# Altium PCB Xavier_NX_Carrier_Board_v1.1.PcbDoc (part 1 of 6) (continued)
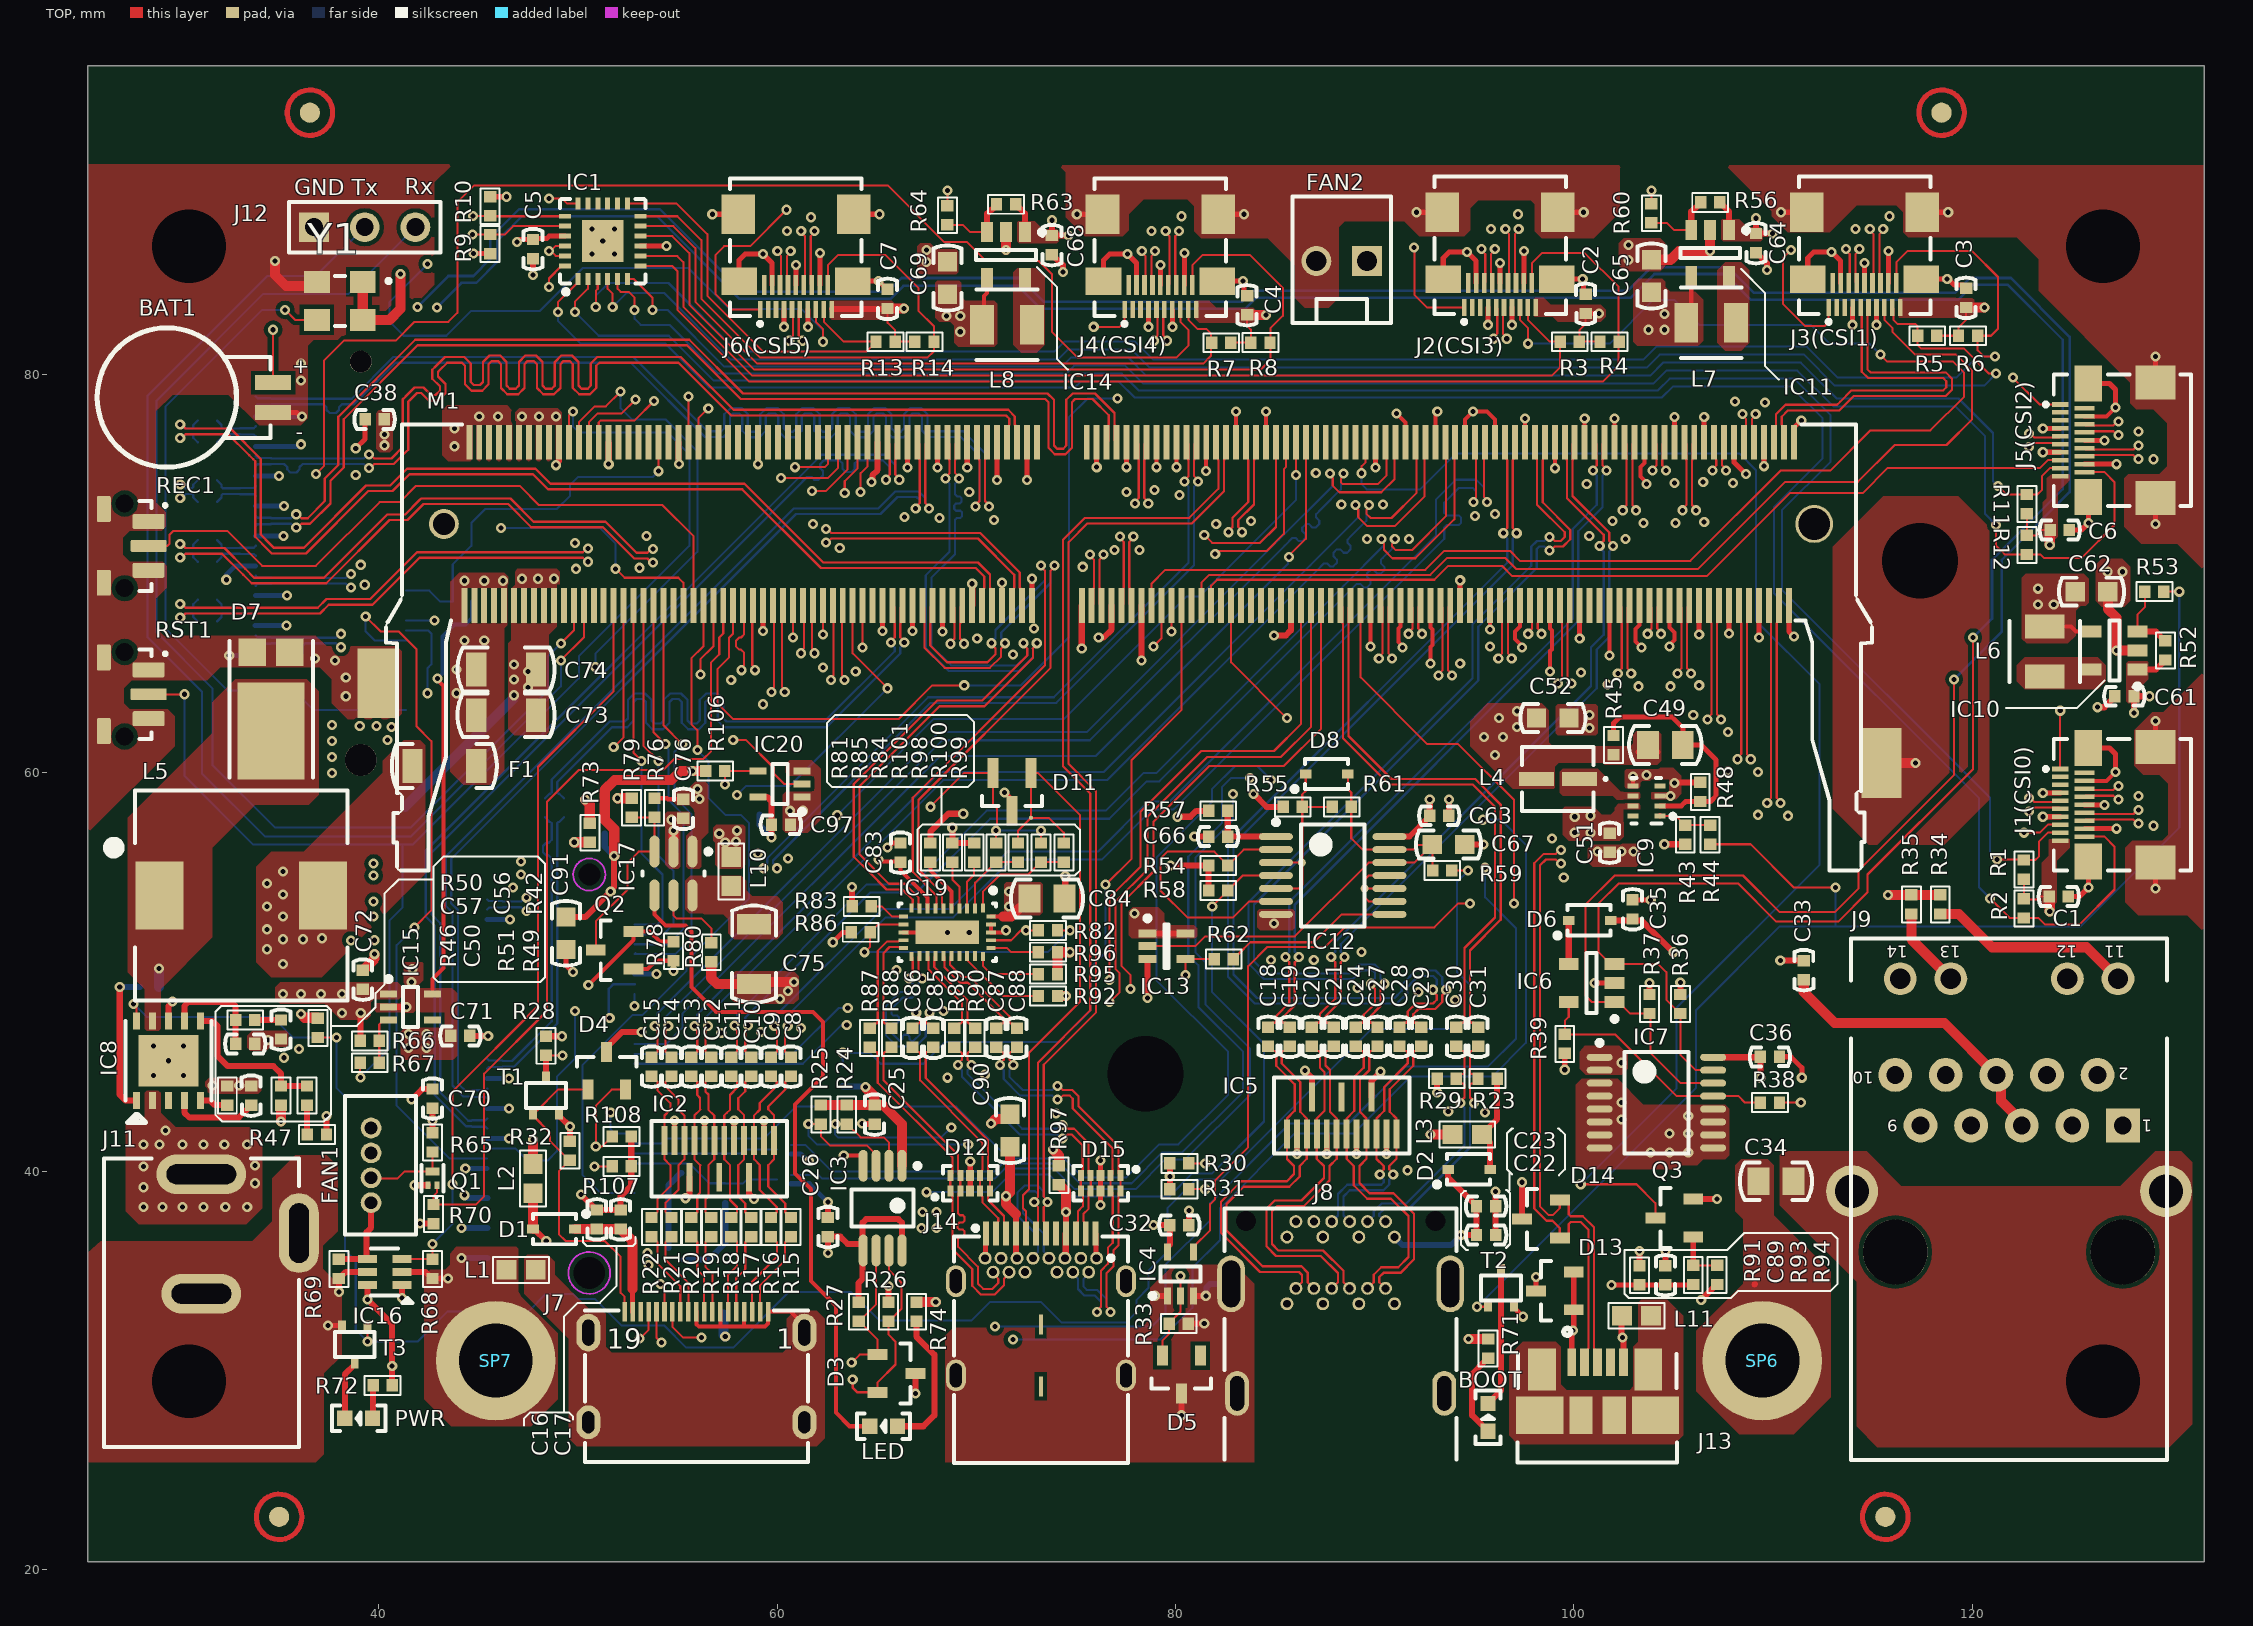
[diagram p0: TOP view]
## Components (designator, comment, footprint, x,y, rotation, side; value= is the part's Value field where it differs from the comment) (continued)
BOOT "SML-310MTT86" LED0603 95.7,27.65 r90 top
C1 "100n" C0402#1 124.35,53.8 r180 top
C2 "100n" C0402#1 100.6,83.55 r270 top
C3 "100n" C0402#1 119.7,83.85 r270 top
C4 "100n" C0402#1 83.6,83.48 r270 top
C5 "100n" C0402#1 47.75,86.3 r90 top
C6 "100n" C0402#1 124.4,72.2 r180 top
C7 "100n" C0402#1 65.55,83.8 r270 top
C8 "100n" C0402#1 60.7,45.25 r270 top locked
C9 "100n" C0402#1 59.7,45.25 r270 top locked
C10 "100n" C0402#1 58.7,45.25 r270 top locked
C11 "100n" C0402#1 57.7,45.25 r270 top locked
C12 "100n" C0402#1 56.7,45.25 r270 top locked
C13 "100n" C0402#1 55.7,45.25 r270 top locked
C14 "100n" C0402#1 54.7,45.25 r270 top locked
C15 "100n" C0402#2 53.7,45.25 r270 top locked
C16 "4u7" C0402#1 50.95,37.58 r270 top
C17 "4u7" C0402#1 52.15,37.58 r270 top
C18 "100n" C0402#1 84.65,46.75 r270 top
C19 "100n" C0402#1 85.75,46.75 r270 top
C20 "100n" C0402#1 86.85,46.75 r270 top
C21 "100n" C0402#1 87.95,46.75 r270 top
C22 "4u7" C0402#1 95.6,36.8 r180 top
C23 "4u7" C0402#1 95.6,38.25 r180 top
C24 "100n" C0402#1 89.05,46.75 r270 top
C25 "100n" C0402#1 64.9,42.85 r90 top
C26 "100n" C0402#1 62.55,37.2 r270 top
C27 "100n" C0402#1 90.15,46.75 r270 top
C28 "100n" C0402#1 91.25,46.75 r270 top
C29 "100n" C0402#1 92.35,46.75 r270 top
C30 "100n" C0402#1 94.1,46.75 r270 top
C31 "100n" C0402#1 95.2,46.75 r270 top
C32 "100n" C0402#1 80.2,37.3 r0 top
C33 "10n" C0402#1 111.55,50.1 r270 top
C34 "100p" 0805 110.15,39.5 r0 top
C35 "100n" C0402#1 102.95,53.15 r270 top
C36 "100n" C0402#1 109.85,45.75 r180 top
C37 "10u" C0603#1 40.5,58.3 r180 bottom
C38 "100n" C0402#1 39.8,77.75 r0 top
C39 "100n" C0402#1 31.4,67.6 r180 bottom
C40 "100n" C0402#1 31.4,68.7 r180 bottom
C41 "100n" C0402#1 31.4,70.6 r180 bottom
C42 "100n" C0402#1 31.4,71.7 r180 bottom
C43 "100n" C0402#1 31.4,73.6 r180 bottom
C44 "100n" C0402#1 31.4,74.7 r180 bottom
C45 "100n" C0402#1 31.4,76.6 r180 bottom
C46 "100n" C0402#1 31.4,77.7 r180 bottom
C47 "100n" C0402#1 37.35,58.25 r0 bottom
C48 "100n" C0402#1 28.5,49.25 r0 bottom
C49 "100p" 0805 104.6,61.4 r180 top
C50 "10n" C0402#1 33.6,43.8 r270 top
C51 "2u2" C0402#1 101.8,56.5 r90 top
C52 "10u" C0603#1 98.95,62.75 r180 top
C53 "2u2" 1206 28.25,44.05 r270 bottom
C54 "2u2" 1206 33.25,44.05 r270 bottom
C55 "2u2" 1206 30.75,44.05 r270 bottom
C56 "4n7" C0402#1 35.1,47.12 r90 top
C57 "47p" C0402#1 33.3,46.4 r180 top
C58 "47u" 0805 37.75,55.2 r180 bottom
C59 "47u" 0805 37.75,50.45 r180 bottom
C60 "47u" 0805 37.75,52.95 r180 bottom
C61 "4u7" C0402#1 127.65,63.85 r0 top
C62 "10u" C0603#1 126,69.1 r180 top
C63 "100n" C0402#1 93.25,57.85 r0 top
C64 "4u7" C0402#1 109.15,86.6 r90 top
C65 "10u" C0603#1 103.9,84.95 r270 top
C66 "47n" C0402#1 82.15,56.8 r0 top
C67 "10u" C0603#1 93.715,56.4 r180 top
C68 "4u7" C0402#1 73.8,86.5 r90 top
C69 "10u" C0603#2 68.55,84.85 r270 top
C70 "100n" C0402#1 42.7,43.65 r270 top
C71 "2u2" C0402#1 44.1,46.8 r180 top
C72 "2u2" C0402#1 39.2,49.62 r270 top
C73 "100u" 1206 46.4,62.9 r180 top
C74 "100u" 1206 46.4,65.2 r180 top
C75 "100u" 1206 58.85,50.9 r90 top
C76 "2u2" C0402#1 55.3,58.2 r90 top
C83 "100n" C0402#1 66.2,56 r90 top
C84 "47u" 0805 73.55,53.7 r0 top
C85 "100n" C0402#1 67.85,46.7 r270 top
C86 "100n" C0402#1 66.8,46.7 r270 top
C87 "100n" C0402#1 71,46.7 r270 top
C88 "100n" C0402#1 72.05,46.7 r270 top
C89 "4u7" C0402#1 104.6,34.78 r270 top
C90 "10u" C0603#1 71.7,42.05 r270 top
C91 "10u" C0603#1 49.4,51.95 r90 top
C92 "100n" C0402#1 52.55,57.45 r270 bottom
C93 "100n" C0402#1 49.3,58.25 r90 bottom
C94 "100n" C0402#1 48.35,58.25 r90 bottom
C95 "10u" C0603#1 56.5,32.8 r180 bottom
C96 "100n" C0402#1 51.35,57.45 r270 bottom
C97 "100n" C0402#1 60.2,57.4 r0 top
D1 "1N914BWS" SOD-323 48.8,37.1 r270 top
D2 "1N914BWS" SOD-323 94.75,40.1 r90 top
D3 "TPD2E009DBZR" SOT-23s#1 66,29.85 r0 top
D4 "TPD2E009DBZR" SOT-23s#2 51.45,45.05 r90 top
D5 "TPD2E009DBZR" SOT-23s#1 80.3,29.8 r270 top
D6 "1N914BWS" SOD-323 100.8,52.6 r90 top
D7 "PDS760-13" PowerDI 34.6,62.1 r90 top locked
D8 "1N914BWS" SOD-323 87.6,59.95 r90 top
D11 "TPD2E009DBZR" SOT-23 71.8,59.05 r270 top
D12 "TPD4E05U06" TPD4E05U06_PASS 69.7,39.4 r0 top locked
D13 "TPD2E009DBZR" SOT-23s#1 99.05,34 r180 top
D14 "TPD2E009DBZR" SOT-23s#1 98.35,37.6 r180 top
D15 "TPD4E05U06" TPD4E05U06_PASS 76.25,39.4 r180 top
F1 "Value" Fuse-1206 43.3,60.35 r0 top value=1206L450SLWR
FAN1 "50275-00471-003" CON_MISC_004_TH_ST_M_P013_WTB 40.35,40.3 r90 top locked
FAN2 "MX-22-23-2021" molex_2223-2021 88.35,85.7 r180 top
IC1 "TCA9548ARGER" VQFN-24 51.25,86.7 r180 top locked
IC2 "TPD8S009" SON-15 57.1,40.625 r0 top locked
IC3 "PCA9517ADP" MSOP-8 65.3,38.15 r270 top
IC4 "SN74LV1T125DCKR" SC70-5 80.25,34.85 r90 top locked
IC5 "TPD8S009" SON-15 88.35,42.8 r180 top locked
IC6 "AT24CS01-ST" SOT23-5 100.9,49.45 r180 top
IC7 "PCA9500PW" TSSOP-16 104.15,43.45 r0 top
IC8 "TPS54561-Q1" WSON-10_4x4 29.45,45.55 r180 top
IC9 "TPS62823DLCT" TPS62823 103.65,58.6 r180 top
IC10 "LM3671MF-3.3" SOT23-5N 127.15,66.15 r180 top
IC11 "LM3671MF-3.3" SOT23-5N 106.85,86.1 r270 top locked
IC12 "74HC00PW" TSSOP-14 87.9,54.85 r0 top locked
IC13 "SN74LVC1G126DCKR" R-PDSO-G5 79.55,51.3 r0 top
IC14 "LM3671MF-3.3" SOT23-5N 71.5,86 r270 top locked
IC15 "TLV70018DCKT" SC70-5 41.6,48.25 r0 top
IC16 "SN74LVC1T45DCKR" SC70_6 40.3,34.95 r180 top
IC17 "NCP380HSNAJAAT1G" TSOP-6 54.8,54.95 r270 top
IC19 "HD3SS3220" RNH0030A 68.55,52 r270 top locked
IC20 "SN74LV1T125DCKR" SC70-5 60.15,59.45 r180 top
J1(CSI0) "Micro HDMI" HDMI-0467650301 127.25,58.4 r90 top locked (schematic designator J1)
J2(CSI3) "Micro HDMI" HDMI-0467650301 96.3,86.2 r180 top locked (schematic designator J2)
J3(CSI1) "Micro HDMI" HDMI-0467650301 114.6,86.2 r180 top locked (schematic designator J3)
J4(CSI4) "Micro HDMI" HDMI-0467650301 79.25,86.1 r180 top locked (schematic designator J4)
J5(CSI2) "Micro HDMI" HDMI-0467650301 127.25,76.7 r90 top locked (schematic designator J5)
J6(CSI5) "Micro HDMI" HDMI-0467650301 60.95,86.1 r180 top locked (schematic designator J6)
J7 "685119136923" WE_685119136923 55.95,29.35 r0 top locked
J8 "2129320-3" 2129320-3 88.3,33.175 r0 top locked
J9 "WE_7499110124" WE_7499110124 127.57,42.3 r180 top locked
J10 "1-2199119-5" 1-2199119-5 37.6,70.65 r270 bottom locked
J11 "DC-005-5A-2.5" DC_SOCKET 31.1,39.85 r90 top locked
J12 "HEADER_3" 826936-3 36.76,87.4 r0 top
J13 "Molex 47346-0001" CON-Molex-047346-0001 101.2,29.15 r90 top locked
J14 "632723300011" WE_632723300011 73.25,31.25 r0 top locked
J15 "APCI0534-P017H06" CON_MINIPEX_067_SMT_RA_M2_KEYE_C 45.45,54.15 r270 bottom locked
L1 "BLM18SG121TN1D" BEADC1608X65N 47.15,35.05 r0 top
L2 "BLM18SG121TN1D" BEADC1608X65N 47.745,39.635 r270 top
L3 "BLM18SG121TN1D" BEADC1608X65N 94.65,41.85 r0 top
L4 "IHLP1212AEERR47M11" IHLP-1212AE 99.2,59.7 r180 top locked
L5 "WE_7447798720" WE_7447798720 33.1,53.85 r0 top locked
L6 "LQH32PN2R2NN0L" LQH32PN2R2NN0L#1 123.65,66.1 r90 top
L7 "LQH32PN2R2NN0L" LQH32PN2R2NN0L#1 106.9,82.6 r180 top locked
L8 "LQH32PN2R2NN0L" LQH32PN2R2NN0L#2 71.55,82.5 r180 top locked
L10 "BLM18EG221SN1D" BEADC1608X65N 57.7,55.05 r90 top
L11 "BLM18SG121TN1D" BEADC1608X65N 103.15,32.75 r180 top
LED "SML-310MTT86" LED0603 65.35,27.2 r180 top
LOGO1 "LOGO" LOGO_2 99.8,48.85 r180 bottom
M1 "2309413-1" jetson-nano-connector 111.05,76.6 r180 top locked
MARK1 "MARK" MARK 86.25,43.1 r180 bottom
PWR "SML-310MTT86" LED0603 39,27.6 r180 top
Q1 "DMN26D0UFB4" DMN26D0UFB47 42.7,39.65 r270 top
Q2 "PMV32UP" SOT-23s#1 51.85,51.1 r180 top
Q3 "PMV16XN" SOT-23s#1 105.05,37.65 r180 top
Q4 "DMN26D0UFB4" DMN26D0UFB47 60.35,41.1 r0 bottom
Q5 "DMN26D0UFB4" DMN26D0UFB47 60.35,39.6 r0 bottom
R1 "4k7" R0402#1 122.6,55.15 r270 top
R2 "4k7" R0402#1 122.6,53.2 r90 top
R3 "4k7" R0402#1 99.8,81.65 r0 top
R4 "4k7" R0402#1 101.8,81.65 r180 top
R5 "4k7" R0402#1 117.75,81.95 r0 top
R6 "4k7" R0402#1 119.8,81.95 r180 top
R7 "4k7" R0402#1 82.3,81.6 r0 top
R8 "4k7" R0402#1 84.272,81.607 r180 top
R9 "4k7" R0402#1 45.6,86.55 r270 top
R10 "4k7" R0402#1 45.6,88.45 r90 top
R11 "4k7" R0402#1 122.75,73.5 r270 top
R12 "4k7" R0402#1 122.75,71.45 r90 top
R13 "4k7" R0402#1 65.45,81.65 r0 top
R14 "4k7" R0402#1 67.4,81.65 r180 top
R15 "5R6" R0402#1 60.7,37.2 r270 top locked
R16 "5R6" R0402#1 59.7,37.2 r270 top locked
R17 "5R6" R0402#1 58.7,37.2 r270 top locked
R18 "5R6" R0402#1 57.7,37.2 r270 top locked
R19 "5R6" R0402#1 56.7,37.2 r270 top locked
R20 "5R6" R0402#1 55.7,37.2 r270 top locked
R21 "5R6" R0402#1 54.7,37.2 r270 top
R22 "5R6" R0402#1 53.7,37.2 r270 top locked
R23 "100k" R0402#2 95.675,44.65 r180 top
R24 "4k7" R0402#1 63.5,42.85 r90 top
R25 "4k7" R0402#1 62.2,42.85 r90 top
R26 "4k7" R0402#1 65.6,32.95 r90 top
R27 "4k7" R0402#1 64.1,32.95 r90 top
R28 "2k" R0402#1 48.4,46.3 r90 top
R29 "100k" R0402#1 93.625,44.65 r180 top
R30 "1M" R0402#1 80.2,40.4 r180 top
R31 "1M" R0402#1 80.2,39.1 r180 top
R32 "4k7" R0402#1 49.6,41.03 r270 top
R33 "100k" R0402#1 80.17,32.35 r0 top
R34 "220R" R0402#1 118.4,53.4 r90 top
R35 "220R" R0402#1 116.95,53.4 r90 top
R36 "2k" R0402#1 105.35,48.4 r90 top
R37 "2k" R0402#1 103.8,48.4 r90 top
R38 "100k" R0402#1 109.85,43.45 r180 top
R39 "0R" R0402#1 99.55,46.4 r90 top
R40 "10k" R0402#1 44.2,68.6 r0 bottom
R42 "100k" R0402#1 36.95,47.2 r270 top
R43 "0R" R0402#1 105.6,56.9 r270 top
R44 "10k" R0402#1 106.85,56.9 r90 top
R45 "243k" R0402#1 102,61.4 r270 top
R46 "243k" R0402#1 32.4,43.8 r270 top
R47 "49R9" R0402#1 36.9,41.85 r0 top
R48 "53k6" R0402#1 106.35,59.05 r270 top
R49 "53k6" R0402#1 36.4,43.8 r270 top
R50 "16k9" R0402#1 33.3,47.6 r180 top
R51 "10k2" R0402#1 35.1,43.8 r90 top
R52 "0R" R0402#1 129.7,66.15 r270 top
R53 "10k" R0402#1 129.15,69.1 r180 top
R54 "1k" R0402#1 82.15,55.35 r180 top
R55 "1k" R0402#1 85.89,58.3 r0 top
R56 "0R" R0402#1 106.85,88.65 r0 top
R57 "200k" R0402#1 82.15,58.1 r180 top
R58 "200k" R0402#1 82.15,54.1 r180 top
R59 "1k" R0402#2 93.4,55.1 r0 top
R60 "10k" R0402#1 103.9,88.1 r270 top
R61 "470k" R0402#2 88.35,58.3 r0 top
R62 "0R" R0402#1 82.43,50.65 r180 top
R63 "0R" R0402#1 71.5,88.55 r0 top
R64 "10k" R0402#1 68.55,88 r270 top
R65 "10k" R0402#1 42.7,41.45 r90 top
R66 "0R" R0402#1 39.55,46.55 r180 top
R67 "10k" R0402#1 39.55,45.45 r0 top
R68 "100k" R0402#1 42.7,35.1 r270 top
R69 "4k7" R0402#1 38,35.1 r90 top
R70 "10k" R0402#1 42.75,37.85 r270 top
R71 "470R" R0402#1 95.7,31.1 r90 top
R72 "470R" R0402#1 40.2,29.25 r0 top
R73 "0R" R0402#1 50.6,57 r270 top
R74 "470R" R0402#1 67,32.95 r270 top
R76 "0R" R0402#1 53.85,58.25 r90 top
R78 "100k" R0402#1 54.8,51.05 r270 top
R79 "10k" R0402#1 52.7,58.25 r270 top
R80 "10k2" R0402#1 56.7,51 r90 top
R81 "909k" R0402#1 67.7,56 r90 top
R82 "0R" R0402#1 73.6,52.1 r0 top
R83 "200k" R0402#1 64.25,53.3 r180 top
R84 "10k" R0402#1 69.9,56 r270 top
R85 "2k" R0402#1 68.8,56 r270 top
R86 "0R" R0402#1 64.2,52 r180 top
R87 "0R" R0402#1 64.65,46.7 r90 top
R88 "0R" R0402#1 65.75,46.7 r90 top
R89 "0R" R0402#1 68.9,46.7 r90 top
R90 "0R" R0402#1 69.95,46.7 r90 top
R91 "0R" R0402#1 103.3,34.78 r90 top
R92 "200k" R0402#1 73.6,48.8 r0 top
R93 "10k" R0402#1 106,34.8 r270 top
R94 "2k" R0402#1 107.2,34.8 r90 top
R95 "2k" R0402#1 73.6,49.9 r0 top
R96 "2k" R0402#1 73.6,51 r0 top
R97 "10k" R0402#1 74.15,39.8 r270 top
R98 "0R" R0402#1 72.1,56 r90 top
R99 "0R" R0402#1 74.4,56 r90 top
R100 "0R" R0402#1 73.25,56 r270 top
R101 "0R" R0402#1 71,56 r270 top
R102 "10k" R0402#1 58.65,57.9 r0 bottom
R103 "10k" R0402#1 63.3,44.75 r270 bottom
R104 "10k" R0402#1 55.202,40.4 r270 bottom
R105 "10k" R0402#1 57.4,38.9 r270 bottom
R106 "10k" R0402#1 56.9,60.1 r180 top
R107 "0R" R0402#1 52.2,40.25 r180 top
R108 "0R" R0402#1 52.2,41.75 r180 top
REC1 "TL3340AF160QG" TL3340AF160QG 27.25,71.4 r90 top
RST1 "TL3340AF160QG" TL3340AF160QG 27.25,63.95 r90 top
SP1 "9774040151" MEC_STANDOFF_PTH_620C380P 117.385,70.65 r180 bottom
SP2 "9774060151" M2.5-6mm#1 30.48,29.464 r180 bottom
SP3 "9774060151" M2.5-6mm#2 30.48,86.436 r180 bottom
SP4 "9774060151" M2.5-6mm#2 126.57,86.436 r180 bottom
SP5 "9774060151" M2.5-6mm#2 126.57,29.464 r180 bottom
SP6 "9774060151" M2.5-6mm#2 109.475,30.5 r0 top
SP7 "9774060151" M2.5-6mm#2 45.875,30.5 r0 top
SP8 "9774040151" MEC_STANDOFF_PTH_620C380P 78.499,44.9 r180 bottom
T1 "BSS138PW" SC70-3 48.4,43.8 r90 top
T2 "BSS138PW" SC70-3 96.35,34.15 r90 top
T3 "BSS138PW" SC70-3 38.8,31.3 r270 top
Y1 "SMD3225" XTAL_SMD_4_032X025_D 38.05,83.7 r180 top

## Footprints (in the part's own frame and the unit in brackets; to place one, negate y for a bottom-side part, rotate by r counter-clockwise, add the part's x,y. Pads: shape width x height; smd on the part's side, far side on the other; paste and mask are expansions set on the pad)
1-2199119-5 [mm]
  rect 0.3x1.55 smd mask+0.05: 1(-9.25,3.775) 2(-9,-3.775) 3(-8.75,3.775) 4(-8.5,-3.775) 5(-8.25,3.775) 6(-8,-3.775) 7(-7.75,3.775) 8(-7.5,-3.775) 9(-7.25,3.775) 10(-7,-3.775) 11(-6.75,3.775) 12(-6.5,-3.775) 13(-6.25,3.775) 14(-6,-3.775) 15(-5.75,3.775) 16(-5.5,-3.775) 17(-5.25,3.775) 18(-5,-3.775) 19(-4.75,3.775) 20(-4.5,-3.775) 21(-4.25,3.775) 22(-4,-3.775) 23(-3.75,3.775) 24(-3.5,-3.775) 25(-3.25,3.775) 26(-3,-3.775) 27(-2.75,3.775) 28(-2.5,-3.775) 29(-2.25,3.775) 30(-2,-3.775) 31(-1.75,3.775) 32(-1.5,-3.775) 33(-1.25,3.775) 34(-1,-3.775) 35(-0.75,3.775) 36(-0.5,-3.775) 37(-0.25,3.775) 38(0,-3.775) 39(0.25,3.775) 40(0.5,-3.775) 41(0.75,3.775) 42(1,-3.775) 43(1.25,3.775) 44(1.5,-3.775) 45(1.75,3.775) 46(2,-3.775) 47(2.25,3.775) 48(2.5,-3.775) 49(2.75,3.775) 50(3,-3.775) 51(3.25,3.775) 52(3.5,-3.775) 53(3.75,3.775) 54(4,-3.775) 55(4.25,3.775) 56(4.5,-3.775) 57(4.75,3.775) 58(5,-3.775) 67(7.25,3.775) 68(7.5,-3.775) 69(7.75,3.775) 70(8,-3.775) 71(8.25,3.775) 72(8.5,-3.775) 73(8.75,3.775) 74(9,-3.775) 75(9.25,3.775)
  round 1.1 hole 1.1 unplated mask+0.05: None(-10,-1.5)
  round 1.6 hole 1.6 unplated mask+0.05: None(10,-1.5)
  rect 1.2x2.75 smd mask+0.05: SH1(-10.35,3) SH2(10.35,3)
  round 0.2 on Mech4: ""(0,0)
  silkscreen extent -10.95,-4 10.95,5.17, body extent -10.98,-79.58 11.02,4.34, height 3.09
0805 [mm]
  rect 1.1x1.4 smd mask+0.05: 1(-0.875,0) 2(0.875,0)
  round 0.2 on Mech4: ""(0,0)
  silkscreen extent -1.81,-0.95 1.81,0.95, body extent -1,-0.63 1,0.63, height 0.78
1206 [mm]
  rect 1.016x1.7 smd mask+0.05: 1(-1.5,0) 2(1.5,0)
  round 0.2 on Mech4: ""(0,0)
  silkscreen extent -2.43,-1.1 2.43,1.1, body extent -1.63,-0.79 1.58,0.84, height 0.61
826936-3 [mm] "Connector; Header; 3 Position"
  rect 1.5x1.5 hole 0.9 paste-10 mask+0.05: 1(0,0)
  round 1.5 hole 0.9 paste-10 mask+0.05: 2(2.54,0) 3(5.08,0)
  round 0.2 on Mech4 paste-10 mask-10: ""(0,0)
  silkscreen extent -1.27,-1.27 6.35,1.27, body extent -1.27,-1.27 6.35,1.27, height 8.4
2129320-3 [mm]
  round 0.65 hole 0.4 mask+0.05: 1(-2.7,0.175) 2(-2.7,3.525) 3(-2.25,0.95) 4(-2.25,4.3) 5(-1.35,0.95) 6(-1.35,4.3) 7(-0.9,0.175) 8(-0.9,3.525) 9(-0.45,0.95) 10(-0.45,4.3) 11(0.45,0.95) 12(0.45,4.3) 13(0.908,0.175) 14(0.908,3.525) 15(1.35,0.95) 16(1.35,4.3) 17(2.25,0.95) 18(2.25,4.3) 19(2.7,0.175) 20(2.7,3.525)
  oval 1.4x2.85 hole 0.9 slot 2.35 at 90 deg mask+0.05: 21(-5.5,1.175) 24(5.5,1.175)
  oval 1.2x2.25 hole 0.7 slot 1.74 at 90 deg mask+0.05: 22(-5.2,-4.325) 23(5.2,-4.325)
  round 0.75 hole 1 mask+0.05: M(-4.75,4.325) M(4.75,4.325)
  round 0.2 on Mech4: ""(0,0)
  silkscreen extent -5.82,-7.65 5.82,4.95, body extent -5.7,-7.83 5.7,4.82, height 4.18
BEADC1608X65N [mm]
  rect 1x0.97 smd mask+0.05: 1(-0.735,0) 2(0.735,0)
  round 0.2 on Mech4: ""(0,0)
  silkscreen extent -1.4,-0.65 1.4,0.65, body extent -0.8,-0.4 0.8,0.4, height 0.65
C0402#1 [mm]
  rect 0.57x0.62 smd mask+0.05: 1(-0.48,0) 2(0.48,0)
  round 0.2 on Mech4: ""(0,0)
  silkscreen extent -1.02,-0.48 1.01,0.48, body extent -0.5,-0.25 0.5,0.25, height 0.47
C0402#2 [mm]
  rect 0.57x0.62 smd: 1(-0.48,0) 2(0.48,0)
  round 0.2 on Mech4: ""(0,0)
  silkscreen extent -1.02,-0.48 1.01,0.48, body extent -0.5,-0.25 0.5,0.25, height 0.47
C0603#1 [mm]
  rect 0.97x0.96 smd mask+0.05: 1(-0.815,0) 2(0.815,0)
  round 0.2 on Mech4: ""(0,0)
  silkscreen extent -1.63,-0.7 1.63,0.7, body extent -0.8,-0.4 0.8,0.4, height 0.8
C0603#2 [mm] "Chip Inductor Ferrite Bead 0603"
  rect 0.97x0.96 smd: 1(-0.815,0) 2(0.815,0)
  round 0.2 on Mech4: ""(0,0)
  silkscreen extent -1.63,-0.7 1.63,0.7, body extent -0.8,-0.4 0.8,0.4, height 0.8
CON-Molex-047346-0001 [mm]
  rect 1.38x0.45 smd mask+0.05: 1(1.263,1.3) 2(1.263,0.65) 3(1.263,0) 4(1.263,-0.65) 5(1.263,-1.3)
  rect 1.9x2.37 smd mask+0.05: S(-1.397,2.91) S(-1.397,-2.91)
  rect 1.9x1.175 smd mask+0.05: S(-1.397,-0.837) S(-1.397,0.837)
  rect 2.1x1.4 smd mask+0.05: S(0.903,2.794) S(0.903,-2.54)
  round 0.2 on Mech4: ""(0,0)
  silkscreen extent -3.8,-3.97 2.97,4.03, body extent -3.8,-3.99 1.63,3.99, height 2.71
CON_MINIPEX_067_SMT_RA_M2_KEYE_C [mm] "CON_MINIPEX_067_SMT_RA_M2_KEYE_C"
  rect 0.28x1.55 smd mask+0.05: 1(0,0) 2(0.25,-7.4) 3(0.5,0) 4(0.75,-7.4) 5(1,0) 6(1.25,-7.4) 7(1.5,0) 8(1.75,-7.4) 9(2,0) 10(2.25,-7.4) 11(2.5,0) 12(2.75,-7.4) 13(3,0) 14(3.25,-7.4) 15(3.5,0) 16(3.75,-7.4) 17(4,0) 18(4.25,-7.4) 19(4.5,0) 20(4.75,-7.4) 21(5,0) 22(5.25,-7.4) 23(5.5,0) 32(7.75,-7.4) 33(8,0) 34(8.25,-7.4) 35(8.5,0) 36(8.75,-7.4) 37(9,0) 38(9.25,-7.4) 39(9.5,0) 40(9.75,-7.4) 41(10,0) 42(10.25,-7.4) 43(10.5,0) 44(10.75,-7.4) 45(11,0) 46(11.25,-7.4) 47(11.5,0) 48(11.75,-7.4) 49(12,0) 50(12.25,-7.4) 51(12.5,0) 52(12.75,-7.4) 53(13,0) 54(13.25,-7.4) 55(13.5,0) 56(13.75,-7.4) 57(14,0) 58(14.25,-7.4) 59(14.5,0) 60(14.75,-7.4) 61(15,0) 62(15.25,-7.4) 63(15.5,0) 64(15.75,-7.4) 65(16,0) 66(16.25,-7.4) 67(16.5,0) 68(16.75,-7.4) 69(17,0) 70(17.25,-7.4) 71(17.5,0) 72(17.75,-7.4) 73(18,0) 74(18.25,-7.4) 75(18.5,0)
  rect 1.2x2.39 smd mask+0.05: 76(-1.1,-0.115) 77(19.6,-0.115)
  round 0.13 hole 1.1 unplated: ""(-0.75,-5.125)
  round 0.2 on Mech4: ""(0,0)
  round 0.13 hole 1.6 unplated: ""(19.25,-5.125)
  Keep-Out Layer circle w0.1: c19.25,-5.125 r1.051
  Keep-Out Layer lines w0.1: 0.057,-5.111 ccw(c-0.75,-5.125) 0.057,-5.125
  silkscreen extent -1.82,-6.77 20.32,1.31
CON_MISC_004_TH_ST_M_P013_WTB [mm] "CON_MISC_004_TH_ST_M_P013_WTB"
  round 1.04 hole 0.64 mask+0.05: 1(1.875,0.73) 2(0.625,0.73) 3(-0.625,0.73) 4(-1.875,0.73)
  round 0.2 on Mech4: ""(0,0)
  silkscreen extent -3.48,-1.54 3.48,2.04
DC_SOCKET [mm]
  oval 2x4.5 hole 1 slot 3.5 at 90 deg mask+0.05: 1(0,0)
  oval 4x2 hole 1 slot 3 at 0 deg mask+0.05: 2(-2.95,-4.9)
  oval 2x4 hole 1 slot 3 at 90 deg mask+0.05: 3(-6,0)
  round 0.2 on Mech4: ""(0,0)
  silkscreen extent -13.7,-4.9 0.8,4.9, body extent -13.7,-5.1 0.4,4.5, height 11.01
DMN26D0UFB47 [mm]
  rect 0.4x0.25 smd mask+0.05: 1(0.35,-0.225) 2(0.35,0.225)
  rect 0.4x0.7 smd mask+0.05: 3(-0.35,0)
  round 0.2 on Mech4: ""(0,0)
  silkscreen extent -0.67,-0.55 1,0.55, body extent -0.51,-0.33 0.53,0.33, height 0.5
Fuse-1206 [mm]
  rect 1.016x1.7 smd mask+0.05: 1(-1.6,0) 2(1.6,0)
  round 0.2 on Mech4: ""(0,0)
  silkscreen extent -2.64,-1.1 2.64,1.1, body extent -1.63,-0.83 1.58,0.83, height 1.43
HDMI-0467650301 [mm]
  rect 0.23x0.85 smd mask+0.05: 1(1.8,2.825) 3(1.4,2.825) 5(1,2.825) 7(0.6,2.825) 9(0.2,2.825) 11(-0.2,2.825) 13(-0.6,2.825) 15(-1,2.825) 17(-1.4,2.825) 19(-1.8,2.825)
  rect 0.23x1 smd mask+0.05: 2(1.6,1.6) 4(1.2,1.6) 6(0.8,1.6) 8(0.4,1.6) 10(0,1.6) 12(-0.4,1.6) 14(-0.8,1.6) 16(-1.2,1.6) 18(-1.6,1.6)
  rect 1.8x1.38 smd mask+0.05: 20(-2.85,1.41) 21(2.85,1.41)
  rect 1.7x2 smd mask+0.05: 22(-2.9,-1.95) 23(2.9,-1.95)
  round 0.2 on Mech4: ""(0,0)
  silkscreen extent -3.3,-3.75 3.3,3.65, body extent -3.28,-4.4 3.22,3.1, height 2.98
IHLP-1212AE [mil]
  rect 69x28 smd mask+1.97: 1(-42.5,0) 2(42.5,0)
  round 7.87 on Mech4: ""(0,0)
  silkscreen extent -97,-63 71,63, body extent -71,-63 71,63, height 61
jetson-nano-connector [mm]
  rect 0.3x1.75 smd mask+0.05: 1(0,0) 2(0.25,8.2) 3(0.5,0) 4(0.75,8.2) 5(1,0) 6(1.25,8.2) 7(1.5,0) 8(1.75,8.2) 9(2,0) 10(2.25,8.2) 11(2.5,0) 12(2.75,8.2) 13(3,0) 14(3.25,8.2) 15(3.5,0) 16(3.75,8.2) 17(4,0) 18(4.25,8.2) 19(4.5,0) 20(4.75,8.2) 21(5,0) 22(5.25,8.2) 23(5.5,0) 24(5.75,8.2) 25(6,0) 26(6.25,8.2) 27(6.5,0) 28(6.75,8.2) 29(7,0) 30(7.25,8.2) 31(7.5,0) 32(7.75,8.2) 33(8,0) 34(8.25,8.2) 35(8.5,0) 36(8.75,8.2) 37(9,0) 38(9.25,8.2) 39(9.5,0) 40(9.75,8.2) 41(10,0) 42(10.25,8.2) 43(10.5,0) 44(10.75,8.2) 45(11,0) 46(11.25,8.2) 47(11.5,0) 48(11.75,8.2) 49(12,0) 50(12.25,8.2) 51(12.5,0) 52(12.75,8.2) 53(13,0) 54(13.25,8.2) 55(13.5,0) 56(13.75,8.2) 57(14,0) 58(14.25,8.2) 59(14.5,0) 60(14.75,8.2) 61(15,0) 62(15.25,8.2) 63(15.5,0) 64(15.75,8.2) 65(16,0) 66(16.25,8.2) 67(16.5,0) 68(16.75,8.2) 69(17,0) 70(17.25,8.2) 71(17.5,0) 72(17.75,8.2) 73(18,0) 74(18.25,8.2) 75(18.5,0) 76(18.75,8.2) 77(19,0) 78(19.25,8.2) 79(19.5,0) 80(19.75,8.2) 81(20,0) 82(20.25,8.2) 83(20.5,0) 84(20.75,8.2) 85(21,0) 86(21.25,8.2) 87(21.5,0) 88(21.75,8.2) 89(22,0) 90(22.25,8.2) 91(22.5,0) 92(22.75,8.2) 93(23,0) 94(23.25,8.2) 95(23.5,0) 96(23.75,8.2) 97(24,0) 98(24.25,8.2) 99(24.5,0) 100(24.75,8.2) 101(25,0) 102(25.25,8.2) 103(25.5,0) 104(25.75,8.2) 105(26,0) 106(26.25,8.2) 107(26.5,0) 108(26.75,8.2) 109(27,0) 110(27.25,8.2) 111(27.5,0) 112(27.75,8.2) 113(28,0) 114(28.25,8.2) 115(28.5,0) 116(28.75,8.2) 117(29,0) 118(29.25,8.2) 119(29.5,0) 120(29.75,8.2) 121(30,0) 122(30.25,8.2) 123(30.5,0) 124(30.75,8.2) 125(31,0) 126(31.25,8.2) 127(31.5,0) 128(31.75,8.2) 129(32,0) 130(32.25,8.2) 131(32.5,0) 132(32.75,8.2) 133(33,0) 134(33.25,8.2) 135(33.5,0) 136(33.75,8.2) 137(34,0) 138(34.25,8.2) 139(34.5,0) 140(34.75,8.2) 141(35,0) 142(35.25,8.2) 143(35.5,0) 144(35.75,8.2) 145(38,0) 146(38.25,8.2) 147(38.5,0) 148(38.75,8.2) 149(39,0) 150(39.25,8.2) 151(39.5,0) 152(39.75,8.2) 153(40,0) 154(40.25,8.2) 155(40.5,0) 156(40.75,8.2) 157(41,0) 158(41.25,8.2) 159(41.5,0) 160(41.75,8.2) 161(42,0) 162(42.25,8.2) 163(42.5,0) 164(42.75,8.2) 165(43,0) 166(43.25,8.2) 167(43.5,0) 168(43.75,8.2) 169(44,0) 170(44.25,8.2) 171(44.5,0) 172(44.75,8.2) 173(45,0) 174(45.25,8.2) 175(45.5,0) 176(45.75,8.2) 177(46,0) 178(46.25,8.2) 179(46.5,0) 180(46.75,8.2) 181(47,0) 182(47.25,8.2) 183(47.5,0) 184(47.75,8.2) 185(48,0) 186(48.25,8.2) 187(48.5,0) 188(48.75,8.2) 189(49,0) 190(49.25,8.2) 191(49.5,0) 192(49.75,8.2) 193(50,0) 194(50.25,8.2) 195(50.5,0) 196(50.75,8.2) 197(51,0) 198(51.25,8.2) 199(51.5,0) 200(51.75,8.2) 201(52,0) 202(52.25,8.2) 203(52.5,0) 204(52.75,8.2) 205(53,0) 206(53.25,8.2) 207(53.5,0) 208(53.75,8.2) 209(54,0) 210(54.25,8.2) 211(54.5,0) 212(54.75,8.2) 213(55,0) 214(55.25,8.2) 215(55.5,0) 216(55.75,8.2) 217(56,0) 218(56.25,8.2) 219(56.5,0) 220(56.75,8.2) 221(57,0) 222(57.25,8.2) 223(57.5,0) 224(57.75,8.2) 225(58,0) 226(58.25,8.2) 227(58.5,0) 228(58.75,8.2) 229(59,0) 230(59.25,8.2) 231(59.5,0) 232(59.75,8.2) 233(60,0) 234(60.25,8.2) 235(60.5,0) 236(60.75,8.2) 237(61,0) 238(61.25,8.2) 239(61.5,0) 240(61.75,8.2) 241(62,0) 242(62.25,8.2) 243(62.5,0) 244(62.75,8.2) 245(63,0) 246(63.25,8.2) 247(63.5,0) 248(63.75,8.2) 249(64,0) 250(64.25,8.2) 251(64.5,0) 252(64.75,8.2) 253(65,0) 254(65.25,8.2) 255(65.5,0) 256(65.75,8.2) 257(66,0) 258(66.25,8.2) 259(66.5,0) 260(66.75,8.2)
  rect 2x3.5 smd mask+0.05: 261(71.1,12.1) 262(-4.4,16.1)
  round 1.9 hole 1.6 unplated mask+0.05: M(-1.025,4.1)
  round 1.5 hole 1.1 unplated mask+0.05: M(67.775,4.1)
  round 0.2 on Mech4: ""(0,0)
  silkscreen extent -3.93,-0.9 70.68,21.51, body extent -4.7,-0.8 71.4,25.05, height 9.23
LED0603 [mil]
  rect 30x30 smd mask+1.97: A(-27.5,0) K(27.5,0)
  round 7.87 on Mech4: ""(0,0)
  silkscreen extent -52,-25 52,25, body extent -33,-16 31,16, height 43
LOGO_2 [mm]
  silkscreen extent -11.96,-6.5 12.27,5.54
LQH32PN2R2NN0L#1 [mm]
  rect 1.2x2 smd mask+0.05: 1(-1.25,0) 2(1.25,0)
  round 0.2 on Mech4: ""(0,0)
  silkscreen extent -1.52,-1.78 1.52,1.78, body extent -1.52,-1.52 1.52,1.65, height 1.4
LQH32PN2R2NN0L#2 [mm]
  rect 1.2x2 smd: 1(-1.25,0) 2(1.25,0)
  round 0.2 on Mech4: ""(0,0)
  silkscreen extent -1.52,-1.78 1.52,1.78, body extent -1.52,-1.52 1.52,1.65, height 1.4
M2.5-6mm#1 [mm] "SMT Steel Spacer, M2.5 Thread Internal, 6mm"
  round 6 / inner round 0 / far side round 0 hole 3.7: 1(0,0)
  round 0.2 on Mech4: ""(0,0)
  body extent -2.55,-2.55 2.55,2.55, height 6
M2.5-6mm#2 [mm] "SMT Steel Spacer, M2.5 Thread Internal, 6mm"
  round 6 / inner round 0 / far side round 0 hole 3.7 mask+0.05: 1(0,0)
  round 0.2 on Mech4: ""(0,0)
  body extent -2.55,-2.55 2.55,2.55, height 6
MARK [mm]
  silkscreen extent -1.25,-2.25 1.29,1.37
MEC_STANDOFF_PTH_620C380P [mm]
  round 6.2 / inner round 0 / far side round 0 hole 3.8: 1(0,0)
  body extent -3.31,-3.31 3.31,3.31, height 1.4
molex_2223-2021 [mm] "Pinhead male 1x2 pitch 2.54mm straight"
  rect 1.5x1.5 hole 1.02 mask+0.05: 1(-1.27,0)
  round 1.5 hole 1.02 mask+0.05: 2(1.27,0)
  round 0.2 on Mech4: ""(0,0)
  silkscreen extent -2.46,-3.25 2.46,3.1, body extent -2.49,-3.2 2.44,3.15, height 10.68
MS621FE-FL11E [mm]
  rect 0.75x1.8 smd: +(0.75,0) -(-0.75,0)
  round 0.2 on Mech4: ""(0,0)
  silkscreen extent -3.5,0.13 3.5,8.83, body extent -3.43,-0.59 3.37,8.71, height 2.69
MSOP-8 [mm]
  oval 1.6x0.45 smd mask+0.05: 1(-2.125,0.975) 2(-2.125,0.325) 3(-2.125,-0.325) 4(-2.125,-0.975) 5(2.125,-0.975) 6(2.125,-0.325) 7(2.125,0.325) 8(2.125,0.975)
  round 0.2 on Mech4: ""(0,0)
  silkscreen extent -2.25,-1.55 0.92,1.88, body extent -2.45,-1.52 2.45,1.48, height 1.15
PowerDI [mm]
  rect 1.4x1.39 smd mask+0.05: A(3.962,-0.94) A(3.962,0.94)
  rect 4.86x3.36 smd mask+0.05: C(0,0)
  round 0.2 on Mech4: ""(0,0)
  silkscreen extent -2.32,-2.1 4.52,2.1, body extent -2.21,-2.08 4.39,1.97, height 1.17
R0402#1 [mm]
  rect 0.57x0.62 smd mask+0.05: 1(-0.48,0) 2(0.48,0)
  round 0.2 on Mech4: ""(0,0)
  silkscreen extent -0.9,-0.48 0.9,0.48, body extent -0.47,-0.25 0.53,0.25, height 0.35
R0402#2 [mm]
  rect 0.57x0.62 smd: 1(-0.48,0) 2(0.48,0)
  round 0.2 on Mech4: ""(0,0)
  silkscreen extent -0.9,-0.48 0.9,0.48, body extent -0.47,-0.25 0.53,0.25, height 0.35
R-PDSO-G5 [mm] "SOT23, 5-Leads, Body 2.00x2.10mm, Pitch 0.65mm, IPC Medium Density"
  rect 0.9x0.4 smd mask+0.05: 1(-0.95,0.65) 2(-0.95,0) 3(-0.95,-0.65) 4(0.95,-0.65) 5(0.95,0.65)
  round 0.2 on Mech4: ""(0,0)
  silkscreen extent -1.07,-1.1 0.1,1.52, body extent -0.7,-1.07 0.7,1.08, height 1.1
RNH0030A [mm]
  rect 0.45x0.2 smd mask+0.05: 1(-1.23,1.8) 10(-1.23,-1.8) 16(1.225,-1.8) 25(1.225,1.8)
  rect 0.5x0.2 smd mask+0.05: 2(-1.2,1.4) 3(-1.2,1) 4(-1.2,0.6) 5(-1.2,0.2) 6(-1.2,-0.2) 7(-1.2,-0.6) 8(-1.2,-1) 9(-1.2,-1.4) 17(1.2,-1.4) 18(1.2,-1) 19(1.2,-0.6) 20(1.2,-0.2) 21(1.2,0.2) 22(1.2,0.6) 23(1.2,1) 24(1.2,1.4)
  rect 0.2x0.45 smd mask+0.05: 11(-0.8,-2.2) 15(0.8,-2.2) 26(0.8,2.2) 30(-0.8,2.2)
  rect 0.2x0.5 smd mask+0.05: 12(-0.4,-2.2) 13(0,-2.2) 14(0.4,-2.2) 27(0.4,2.2) 28(0,2.2) 29(-0.4,2.2)
  rect 1.2x3.2 smd mask+0.05: 31(0,0)
  round 0.2 on Mech4: ""(0,0)
  silkscreen extent -2.22,-2.45 1.45,2.45, body extent -1.3,-2.3 1.3,2.3, height 0.8
SC70-3 [mm] "SC70, 3-Leads, Pitch 0,65mm, EIAJ SC-88a"
  rect 0.5x0.4 smd mask+0.05: 1(-0.95,0.65) 2(-0.95,-0.65) 3(0.95,0)
  round 0.2 on Mech4: ""(0,0)
  silkscreen extent -0.63,-1 0.63,1, body extent -1.15,-1.08 1.15,1.02, height 1
SC70-5 [mm] "SC70, 5-Leads, Pitch 0,65mm, EIAJ SC-88a"
  rect 0.85x0.35 smd mask+0.05: 1(-1.1,0.65) 2(-1.1,0) 3(-1.1,-0.65) 4(1.1,-0.65) 5(1.1,0.65)
  round 0.2 on Mech4: ""(0,0)
  silkscreen extent -1.22,-1 0.37,1.52, body extent -1.03,-0.98 1.07,1.02, height 0.96
SC70_6 [mm] "SC70_6"
  rect 0.95x0.4 smd mask+0.05: 1(-0.87,0.65) 2(-0.87,0) 3(-0.87,-0.65) 4(0.87,-0.65) 5(0.87,0) 6(0.87,0.65)
  silkscreen extent -1.4,-1.17 0.67,1.55, body extent -1.17,-1.05 1.13,1.05, height 1
SOD-323 [mm]
  rect 0.45x0.59 smd mask+0.05: A(0,-1.055) C(0,1.055)
  round 0.2 on Mech4: ""(0,0)
  silkscreen extent -0.89,-1.05 0.76,1.74, body extent -0.63,-1.25 0.62,1.25, height 1
SON-15 [mm]
  rect 0.3x1.45 smd mask+0.05: 1(2.75,0.925) 2(2.25,0.925) 3(1.75,0.925) 4(1.25,0.925) 5(0.75,0.925) 6(0.25,0.925) 7(-0.25,0.925) 8(-0.75,0.925) 9(-1.25,0.925) 10(-1.75,0.925) 11(-2.25,0.925) 12(-2.75,0.925) 13(1.5,-0.925) 14(0,-0.925) 15(-1.5,-0.925)
  round 0.2 on Mech4: ""(0,0)
  silkscreen extent -3.4,-1.9 3.4,1.9, body extent -3.3,-1.3 3.3,1.3, height 0.8
SOT23-5 [mm] "SOT23, 5-Leads, Body 2,90x2,70mm, Pitch 0,95mm, IPC Medium Density"
  rect 1x0.6 smd mask+0.05: 1(-1.15,0.95) 2(-1.15,0) 3(-1.15,-0.95) 4(1.15,-0.95) 5(1.15,0.95)
  round 0.2 on Mech4: ""(0,0)
  silkscreen extent -1.28,-1.5 0.25,1.92, body extent -1.19,-1.46 1.21,1.44, height 1.1
SOT23-5N [mm] "SOT23, 5-Leads, Body 2,90x2,70mm, Pitch 0,95mm, IPC Medium Density"
  rect 1x0.6 smd mask+0.05: 1(-1.15,0.95) 2(-1.15,0) 3(-1.15,-0.95) 4(1.15,-0.95) 6(1.15,0.95)
  round 0.2 on Mech4: ""(0,0)
  silkscreen extent -1.28,-1.5 0.25,1.92, body extent -1.19,-1.46 1.21,1.44, height 1.1
SOT-23 [mm] "SOT23, 3-Leads, Body 2.90x2.45mm, Pitch 0.95mm, IPC Medium Density"
  rect 1.5x0.55 smd mask+0.05: 1(-0.95,0.95) 2(-0.95,-0.95) 3(0.95,0)
  round 0.2 on Mech4: ""(0,0)
  silkscreen extent 0.2,-1.5 0.7,1.5, body extent -1.13,-1.5 1.13,1.5, height 1.21
SOT-23s#1 [mm] "SOT23, 3-Leads, Body 2.90x2.45mm, Pitch 0.95mm, IPC Medium Density"
  rect 1x0.55 smd mask+0.05: 1(-0.95,0.95) 2(-0.95,-0.95) 3(0.95,0)
  round 0.2 on Mech4: ""(0,0)
  silkscreen extent 0.2,-1.5 0.7,1.5, body extent -1.13,-1.5 1.13,1.5, height 1.21
SOT-23s#2 [mm] "SOT23, 3-Leads, Body 2.90x2.45mm, Pitch 0.95mm, IPC Medium Density"
  rect 1x0.55 smd: 1(-0.95,0.95) 2(-0.95,-0.95) 3(0.95,0)
  round 0.2 on Mech4: ""(0,0)
  silkscreen extent 0.2,-1.5 0.7,1.5, body extent -1.13,-1.5 1.13,1.5, height 1.21
TL3340AF160QG [mm] "SWITCH TACT SUB MINI 160GF SMD"
  rrect20% 0.75x1.6 smd mask+0.05: 1(1.225,-1.2) 3(-1.225,-1.2)
  rrect20% 0.6x1.8 smd mask+0.05: 2(0,-1.2)
  round 0.5 hole 0.9 mask+0.05: 10(2.125,0) 11(-2.125,0)
  rrect20% 1.3x0.7 smd mask+0.05: SH1(-1.85,1.05) SH2(1.85,1.05)
  round 0.2 on Mech4: ""(0,0)
  silkscreen extent -2.25,-2.07 2.25,-0.75, body extent -2.25,-1.35 2.25,2.05, height 3.3
TPD4E05U06_PASS [mm]
  rect 0.3x0.55 smd mask+0.05: 1(-1,-0.385) 1(-1,0.385) 2(-0.5,-0.385) 2(-0.5,0.385) 4(0.5,-0.385) 4(0.5,0.385) 5(1,-0.385) 5(1,0.385)
  rect 0.4x0.55 smd mask+0.05: 3(0,-0.385) 8(0,0.385)
  round 0.2 on Mech4: ""(0,0)
  silkscreen extent -1.87,-0.87 1.38,0.87, body extent -1.25,-0.5 1.25,0.51, height 0.56
TPS62823 [mm]
  rect 0.55x0.25 smd mask+0.05: 1(-0.675,0.75) 2(-0.675,0.25) 3(-0.675,-0.25) 4(-0.675,-0.75) 5(0.675,-0.75) 6(0.675,-0.25) 7(0.675,0.25) 8(0.675,0.75)
  round 0.2 on Mech4: ""(0,0)
  silkscreen extent -1.43,-1.15 0.75,1.15, body extent -0.76,-1.02 0.76,1.02, height 1.1
TSOP-6 [mm]
  oval 1.6x0.5 smd mask+0.05: 1(-1.1,0.95) 2(-1.1,0) 3(-1.1,-0.95) 4(1.1,-0.95) 5(1.1,0) 6(1.1,0.95)
  round 0.2 on Mech4: ""(0,0)
  silkscreen extent -1.22,-1.55 0.1,1.88, body extent -0.85,-1.55 0.85,1.55, height 1.1
TSSOP-14 [mm]
  oval 1.7x0.35 smd mask+0.05: 1(-2.85,1.95) 2(-2.85,1.3) 3(-2.85,0.65) 4(-2.85,0) 5(-2.85,-0.65) 6(-2.85,-1.3) 7(-2.85,-1.95) 8(2.85,-1.95) 9(2.85,-1.3) 10(2.85,-0.65) 11(2.85,0) 12(2.85,0.65) 13(2.85,1.3) 14(2.85,1.95)
  round 0.2 on Mech4: ""(0,0)
  silkscreen extent -2.97,-2.55 1.6,2.8, body extent -3.2,-2.5 3.2,2.5, height 1.21
TSSOP-16 [mm]
  oval 1.3x0.35 smd mask+0.05: 1(-2.85,2.275) 2(-2.85,1.625) 3(-2.85,0.975) 4(-2.85,0.325) 5(-2.85,-0.325) 6(-2.85,-0.975) 7(-2.85,-1.625) 8(-2.85,-2.275) 9(2.85,-2.275) 10(2.85,-1.625) 11(2.85,-0.975) 12(2.85,-0.325) 13(2.85,0.325) 14(2.85,0.975) 15(2.85,1.625) 16(2.85,2.275)
  round 0.2 on Mech4: ""(0,0)
  silkscreen extent -2.97,-2.55 1.6,3.12, body extent -3.2,-2.5 3.2,2.5, height 1.1
VQFN-24 [mm]
  rect 2.1x2.1 smd mask+0.05: 0(0,0)
  rect 0.25x0.6 smd mask+0.05: 1(1.25,1.9) 2(0.75,1.9) 3(0.25,1.9) 4(-0.25,1.9) 5(-0.75,1.9) 6(-1.25,1.9) 13(-1.25,-1.9) 14(-0.75,-1.9) 15(-0.25,-1.9) 16(0.25,-1.9) 17(0.75,-1.9) 18(1.25,-1.9)
  rect 0.6x0.25 smd mask+0.05: 7(-1.9,1.25) 8(-1.9,0.75) 9(-1.9,0.25) 10(-1.9,-0.25) 11(-1.9,-0.75) 12(-1.9,-1.25) 19(1.9,-1.25) 20(1.9,-0.75) 21(1.9,-0.25) 22(1.9,0.25) 23(1.9,0.75) 24(1.9,1.25)
  round 0.2 on Mech4: ""(0,0)
  silkscreen extent -2.15,-2.12 2.15,2.64, body extent -2.01,-2.01 2.01,2.01, height 0.8
WE_7447798720 [mm]
  rect 2.4x3.4 smd mask+0.05: 1(-4.1,0) 2(4.1,0)
  round 0.2 on Mech4: ""(0,0)
  silkscreen extent -6.67,-5.28 5.33,5.28, body extent -5.1,-5.1 5.1,5.1, height 6.35
WE_7499110124 [mm] "WE-RJ45 LAN Transformer, THT"
  rect 1.7x1.7 hole 0.89 mask+0.05: 1(0,0)
  round 1.7 hole 0.89 mask+0.05: 2(1.27,-2.54) 3(2.54,0) 4(3.81,-2.54) 5(5.08,0) 6(6.35,-2.54) 7(7.62,0) 8(8.89,-2.54) 9(10.16,0) 10(11.43,-2.54)
  round 1.65 hole 1.02 mask+0.05: 11(0.246,-7.37) 12(2.786,-7.37) 13(8.636,-7.37) 14(11.176,-7.37)
  round 2.6 hole 1.7 mask+0.05: S(-2.163,3.3) S(13.593,3.3)
  round 3.25 hole 3.25 unplated mask+0.05: ""(0,6.35) ""(11.43,6.35)
  round 0.2 on Mech4: ""(0,0)
  silkscreen extent -2.22,-9.39 13.65,16.79, body extent -2.49,-8.24 13.91,17.06, height 13.35
WE_632723300011 [mm] "USB 3.1 Type C Receptacle Horizontal THR"
  rect 0.3x1.2 smd: A1(-2.75,5.635) A2(-2.25,5.635) A3(-1.75,5.635) A4(-1.25,5.635) A5(-0.75,5.635) A6(-0.25,5.635) A7(0.25,5.635) A8(0.75,5.635) A9(1.25,5.635) A10(1.75,5.635) A11(2.25,5.635) A12(2.75,5.635)
  round 0.65 hole 0.4: B1(2.8,4.385) B2(2.4,3.685) B3(1.6,3.685) B4(1.2,4.385) B5(0.8,3.685) B6(0.4,4.385) B7(-0.4,4.385) B8(-0.8,3.685) B9(-1.2,4.385) B10(-1.6,3.685) B11(-2.4,3.685) B12(-2.8,4.385) Shell(-2,4.385) Shell(2,4.385)
  oval 1x1.6 hole 0.6 slot 1.2 at 90 deg: Shell(-4.27,-1.495) Shell(-4.27,3.235) Shell(4.27,-1.495) Shell(4.27,3.235)
  rect 0.2x1 smd: ""(0,-2.045) ""(0,1.055)
  round 0.2 on Mech4: ""(0,0)
  silkscreen extent -4.37,-5.89 4.37,6.01, body extent -4.37,-5.89 4.37,5.9, height 3.05
WE_685119136923 [mm] "Mini HDMI SMT Horizontal"
  rect 0.23x1 smd mask+0.05: 1(3.6,3.6) 2(3.2,3.6) 3(2.8,3.6) 4(2.4,3.6) 5(2,3.6) 6(1.6,3.6) 7(1.2,3.6) 8(0.8,3.6) 9(0.4,3.6) 10(0,3.6) 11(-0.4,3.6) 12(-0.8,3.6) 13(-1.2,3.6) 14(-1.6,3.6) 15(-2,3.6) 16(-2.4,3.6) 17(-2.8,3.6) 18(-3.2,3.6) 19(-3.6,3.6)
  oval 1.2x1.7 hole 0.6 slot 1.1 at 90 deg mask+0.05: Shell(-5.425,-1.95) Shell(5.425,-1.95)
  oval 1.2x1.9 hole 0.6 slot 1.3 at 90 deg mask+0.05: Shell(-5.425,2.55) Shell(5.425,2.55)
  round 0.2 on Mech4: ""(0,0)
  silkscreen extent -5.6,-3.95 5.6,3.65, body extent -5.63,-3.95 5.62,3.95, height 3.29
WSON-10_4x4 [mm] "QFN, 10-Leads, Body 4,00x4,00mm, Pitch 0,65mm, Thermal Pad 2,50x3,15mm, IPC Medium Density"
  rect 0.356x0.85 smd mask+0.05: 1(1.6,2) 2(0.8,2) 3(0,2) 4(-0.8,2) 5(-1.6,2) 6(-1.6,-2) 7(-0.8,-2) 8(0,-2) 9(0.8,-2) 10(1.6,-2)
  rect 3x2.6 smd mask+0.05: 11(0,0)
  round 0.2 on Mech4: ""(0,0)
  silkscreen extent -2.15,-2 2.15,2, body extent -2,-2.02 2,2.02, height 0.8
XTAL_SMD_4_032X025_D [mm]
  rect 1.3x1.1 smd: 1(-1.15,-0.95) 2(1.15,-0.95) 3(1.15,0.95) 4(-1.15,0.95)
  round 0.2 on Mech4: ""(0,0)
  silkscreen extent -2.55,-1.25 0.25,1.25, body extent -1.6,-1.25 1.6,1.25, height 0.8